# Altium PCB Pleiades_PP.PcbDoc (part 8 of 15) (continued)
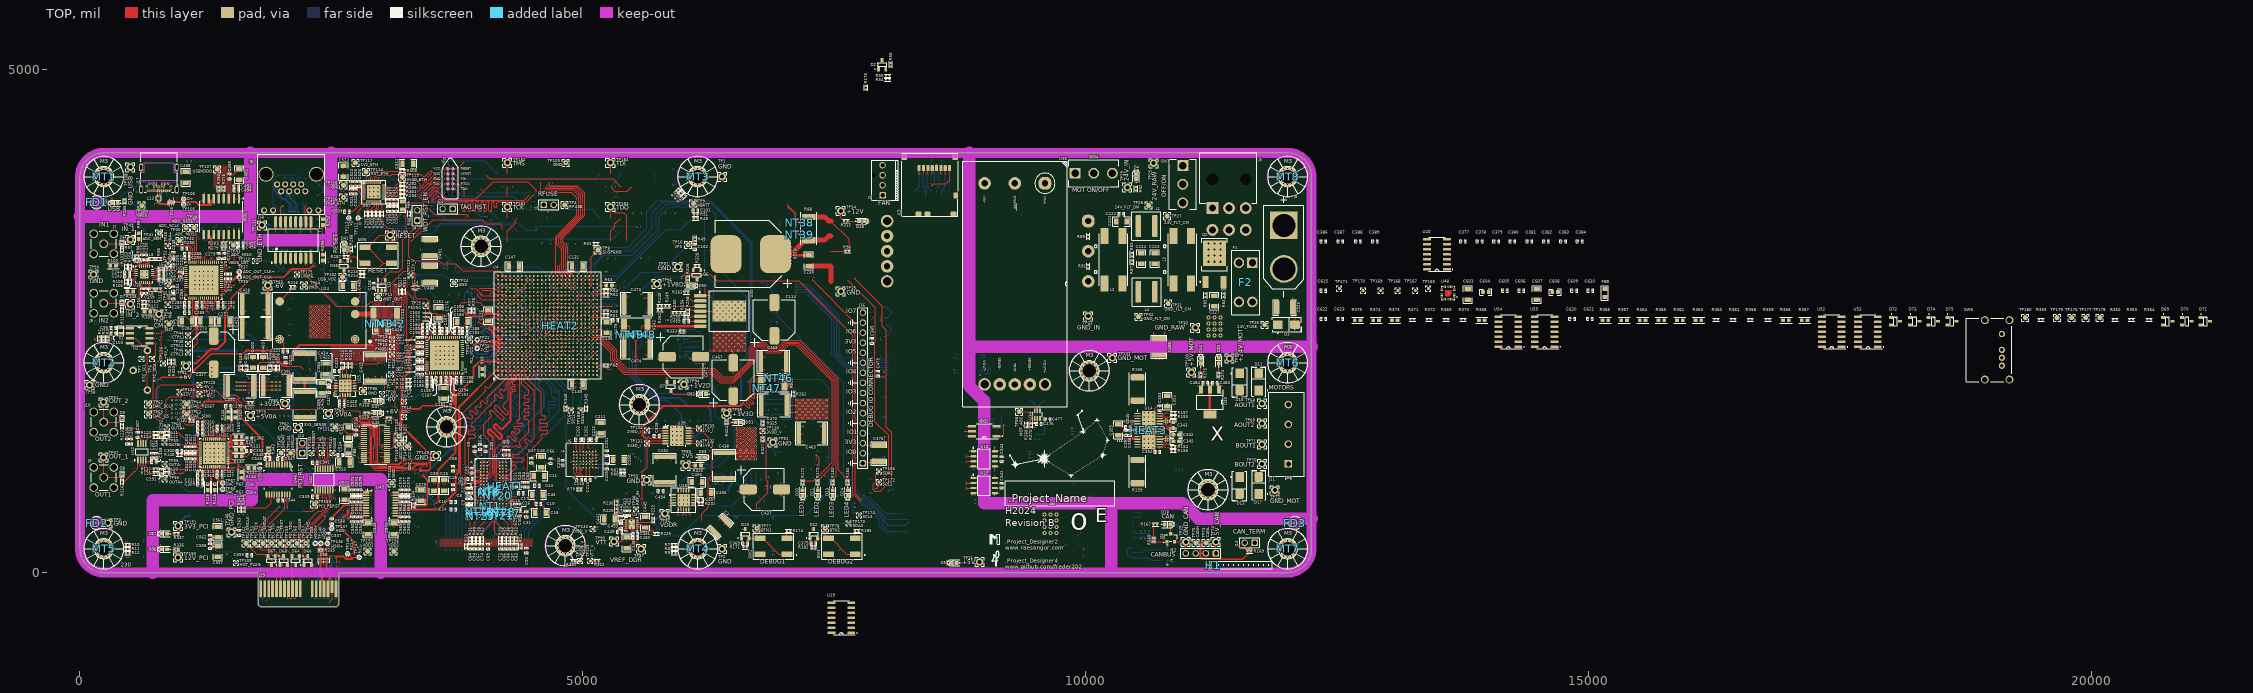
[diagram p0: TOP view]
## Nets (pads, with @x,y where several pads share a name; then routed paths per layer and width w, separated by ;. In a path a pad name is that pad's centre, name@x,y a point inside that pad or via, vN(x,y) a via of type N, cw(c..) or ccw(c..) an arc to the next point about the centre after c; other vN are vias at no path point) (continued)
D6_N: R149.1 U4.A9 U11.12 | length 4016.9
  TOP w4.33: U11.12@1443.27,1053.19 1443.27,1041.26 1438.09,1036.09 1438.09,1030.18 1440.62,1027.64 1466.86,1027.64 1479.37,1040.16 1522.66,1040.16 v1(1530,1047.49) ; v1(4065.53,2287.56) 4065.73,2287.76 4074.34,2287.76 4084.02,2297.44 4110.36,2297.44 4143.62,2264.18 4163.84,2264.18 4173.07,2273.41 4173.07,2276.99 4170.53,2279.53 U4.A9@4157.48,2279.53
  IN1 w3.09: v1(1530,1047.49) 1530,1041.85 1531.81,1040.04 1534.38,1040.04 1544.15,1049.81 1544.15,1070.7 1585.78,1112.33 1734.64,1112.33 1822.25,1112.33 1847.06,1137.14 1950.44,1137.14 1952.22,1135.36 1998.25,1135.36 ccw(c1998.25,1146.91) 2009.8,1146.91 2009.8,1187.81 cw(c2030.44,1187.81) 2030.44,1208.45 cw(c2030.44,1187.81) 2051.08,1187.81 2051.08,1150.32 ccw(c2062.63,1150.32) 2062.63,1138.77 ccw(c2062.63,1150.32) 2074.17,1150.32 2074.17,1165.05 cw(c2094.81,1165.05) 2094.81,1185.69 cw(c2094.81,1165.05) 2115.46,1165.05 2115.46,1136.85 ccw(c2127,1136.85) 2127,1125.31 ccw(c2127,1136.85) 2138.55,1136.85 2138.55,1150.51 cw(c2159.19,1150.51) 2159.19,1171.15 cw(c2159.19,1150.51) 2179.83,1150.51 ccw(c2191.38,1150.51) 2191.38,1138.96 2205.74,1138.96 2231.04,1164.26 2231.43,1164.64 2536.22,1164.64 2541.41,1159.45 2561.68,1159.45 2564.36,1162.14 2592.06,1162.14 2625.11,1195.2 2835.14,1195.2 2879.01,1151.33 2958.62,1151.33 2987.29,1180 3072.86,1180 3091.43,1161.43 3110,1161.43 3111.55,1161.43 ccw(c3111.55,1172.98) 3123.1,1172.98 3123.09,1189.88 cw(c3134.64,1189.88) 3134.64,1201.43 cw(c3134.64,1189.88) 3146.19,1189.88 3146.19,1172.98 ccw(c3157.74,1172.98) 3157.74,1161.43 3173.87,1161.43 3199.17,1161.43 3205.84,1168.11 3208.11,1168.11 3210,1170 3210,1215 3335,1340 3335,1690 3472.86,1827.86 3472.86,1840.64 3694.12,2061.9 3716.37,2061.9 3743.94,2089.47 3832.87,2089.47 3892.68,2149.28 3915.53,2149.28 4025.72,2259.47 4044.97,2259.47 4062.75,2277.25 4062.75,2284.77 v1(4065.53,2287.56)
  BOT w4.33: v1(1530,1047.49) 1544.16,1033.33 1544.16,1024.38 R149.1@1570,998.54
D6_P: R146.1 U4.C9 U11.11 | length 4019.7
  TOP w4.33: U11.11@1423.58,1053.19 1423.58,1041.26 1428.76,1036.09 1428.76,1026.31 1436.76,1018.32 1470.72,1018.32 1483.24,1030.83 1522.66,1030.83 v1(1530,1023.49) ; v1(4086.35,2275.62) 4085.35,2276.63 4085.35,2285.58 4087.88,2288.11 4106.5,2288.11 4139.76,2254.85 4167.7,2254.85 4182.39,2269.55 4182.39,2284.9 4191.04,2293.55 4222.2,2293.55 U4.C9@4236.22,2279.53
  IN1 w3.09: v1(1530,1023.49) 1530,1029.13 1531.81,1030.95 1538.14,1030.95 1553.24,1046.04 1553.24,1066.93 1589.54,1103.24 1734.64,1103.24 1826.01,1103.24 1850.82,1128.05 1946.68,1128.05 1948.45,1126.27 1998.25,1126.27 ccw(c1998.25,1146.91) 2018.89,1146.91 2018.89,1187.81 cw(c2030.44,1187.81) 2030.44,1199.36 cw(c2030.44,1187.81) 2041.98,1187.81 2041.98,1150.32 ccw(c2062.63,1150.32) 2062.63,1129.68 ccw(c2062.63,1150.32) 2083.27,1150.32 2083.27,1165.05 cw(c2094.81,1165.05) 2094.81,1176.6 cw(c2094.81,1165.05) 2106.36,1165.05 2106.36,1136.85 ccw(c2127,1136.85) 2127,1116.21 ccw(c2127,1136.85) 2147.64,1136.85 2147.65,1150.51 cw(c2159.19,1150.51) 2159.19,1162.05 cw(c2159.19,1150.51) 2170.74,1150.51 ccw(c2191.38,1150.51) 2191.38,1129.86 2209.51,1129.86 2231.04,1151.4 2235.19,1155.55 2532.46,1155.55 2537.64,1150.36 2565.44,1150.36 2568.13,1153.05 2595.82,1153.05 2628.88,1186.1 2831.38,1186.1 2875.24,1142.24 2962.39,1142.24 2991.05,1170.91 3069.09,1170.91 3085,1155 3087.66,1152.34 3202.93,1152.34 3209.61,1159.01 3211.87,1159.01 3219.09,1166.23 3219.09,1211.23 3344.09,1336.23 3344.09,1686.23 3481.95,1824.09 3481.95,1836.87 3697.89,2052.81 3720.14,2052.81 3747.71,2080.38 3836.64,2080.38 3896.45,2140.19 3919.3,2140.19 4029.49,2250.38 4048.74,2250.38 4058.36,2260 4070.73,2260 v1(4086.35,2275.62)
  BOT w4.33: R146.1@1500,998.54 1523.48,1022.02 1528.53,1022.02 v1(1530,1023.49)
D7_N: R142.1 U4.A10 U11.10 | length 4025.7
  TOP w4.33: U11.10@1403.9,1053.19 1405.18,1051.91 1405.18,1037.8 1412.47,1030.51 v1(1412.47,1028.43) ; v1(3910.95,2242.07) 3911.38,2242.49 3911.38,2251.5 3911.24,2251.64 3911.24,2262.95 3922.67,2274.37 3929.59,2274.37 3942.14,2286.92 3978.73,2286.92 4005.9,2314.09 4117.26,2314.09 4127.8,2303.55 4163.84,2303.55 4172.5,2312.21 4172.5,2315.8 4169.97,2318.33 4158.05,2318.33 U4.A10@4157.48,2318.9
  IN1 w3.09: v1(1412.47,1028.43) 1406.72,1022.68 1406.72,1020.12 1408.54,1018.31 1421.37,1018.31 1482.71,1079.64 1504.64,1079.64 1569.64,1144.64 1601.35,1144.64 1610.14,1135.85 1803.07,1135.85 1816.86,1149.64 1837.63,1149.64 1866.17,1178.19 1933.19,1178.19 1993.91,1238.91 2250.46,1238.91 2256.63,1232.74 2291.36,1232.74 2324.09,1200 2355,1200 2374.17,1200 ccw(c2374.17,1211.55) 2385.72,1211.55 2385.72,1221.19 cw(c2397.26,1221.19) 2397.26,1232.74 cw(c2397.26,1221.19) 2408.81,1221.19 2408.81,1211.55 ccw(c2420.36,1211.55) 2420.36,1200 2445,1200 2467.72,1200 2479.86,1212.14 2504.73,1212.14 2522.14,1212.14 2564.3,1254.3 2739.3,1254.3 2757.45,1272.45 2783.56,1272.45 2828.1,1272.45 2865.99,1234.57 2902.27,1234.57 cw(c2902.27,1214.93) 2921.91,1214.93 2921.91,1210.19 ccw(c2932.46,1210.19) 2932.46,1199.64 ccw(c2932.46,1210.19) 2943.01,1210.19 2943.01,1214.93 cw(c2962.65,1214.93) 2962.65,1234.57 3009.54,1234.57 3014.67,1234.57 3025.18,1224.06 3194.04,1224.06 3230.55,1260.57 3230.55,1305.63 3300.91,1375.99 3300.91,1674.09 3300.91,1715.8 cw(c3321.55,1715.8) 3336.14,1730.39 3336.86,1729.67 ccw(c3345.03,1737.84) 3353.19,1729.67 ccw(c3345.03,1737.84) 3353.19,1746 3327.73,1771.46 cw(c3342.33,1786.06) 3327.73,1800.66 cw(c3342.33,1786.06) 3356.92,1800.66 3382.39,1775.2 ccw(c3390.55,1783.36) 3398.72,1775.2 ccw(c3390.55,1783.36) 3398.72,1791.53 3393.24,1797 cw(c3407.82,1811.62) 3393.22,1826.21 3488.57,1921.57 3592.01,2025 3622.14,2025 3636.48,2039.35 3636.48,2070.67 3671.03,2105.21 3802.35,2105.21 3924.36,2227.22 3924.36,2236.12 3921.23,2239.25 3913.77,2239.25 v1(3910.95,2242.07)
  BOT w4.33: v1(1412.47,1028.43) 1412.47,1026.35 1416.4,1022.43 1416.4,1014.72 1430,1001.12 R142.1@1430,998.54
D7_P: R139.1 U4.B10 U11.9 | length 4026
  TOP w4.33: U11.9@1384.21,1053.19 1384.21,1040.16 1389.5,1034.87 v1(1389.5,1021.49) ; v1(3933.06,2251.41) 3931.59,2252.87 3923.19,2252.87 3920.57,2255.5 3920.57,2259.08 3926.53,2265.04 3933.45,2265.04 3946,2277.6 3982.6,2277.6 4009.76,2304.76 4113.4,2304.76 4123.94,2294.22 4167.7,2294.22 4181.83,2308.35 4181.83,2315.8 4184.36,2318.33 4196.29,2318.33 U4.B10@4196.85,2318.9
  IN1 w3.09: v1(1389.5,1021.49) 1395.82,1021.49 1397.63,1019.68 1397.63,1016.35 1404.77,1009.21 1413.96,1009.21 1425.14,1009.21 1438.2,1022.27 cw(c1440.71,1019.77) 1443.22,1022.27 1443.94,1021.55 ccw(c1446.45,1024.06) 1448.96,1021.55 ccw(c1446.45,1024.06) 1448.96,1026.57 1448.24,1027.29 cw(c1450.75,1029.8) 1448.24,1032.31 1466.3,1050.37 1486.48,1070.55 1508.41,1070.55 1573.41,1135.55 1597.58,1135.55 1606.37,1126.76 1806.84,1126.76 1820.63,1140.55 1841.4,1140.55 1869.94,1169.09 1936.95,1169.09 1997.67,1229.81 2246.69,1229.81 2252.86,1223.64 2287.59,1223.64 2320.33,1190.91 2471.49,1190.91 2483.63,1203.05 2525.91,1203.05 2568.06,1245.2 2743.06,1245.2 2761.22,1263.36 2824.34,1263.36 2862.22,1225.47 2865.99,1225.47 2902.27,1225.47 cw(c2902.27,1214.93) 2912.82,1214.93 2912.82,1210.19 ccw(c2932.46,1210.19) 2932.46,1190.55 ccw(c2932.46,1210.19) 2952.1,1210.19 2952.1,1214.93 cw(c2962.65,1214.93) 2962.65,1225.47 3009.54,1225.47 3010.91,1225.47 3021.41,1214.97 3197.81,1214.97 3239.64,1256.8 3239.64,1301.86 3310,1372.22 3310,1671.38 3310,1715.8 cw(c3321.55,1715.8) 3329.71,1723.96 3330.43,1723.24 ccw(c3345.03,1737.84) 3359.62,1723.24 ccw(c3345.03,1737.84) 3359.62,1752.44 3334.16,1777.9 cw(c3342.33,1786.06) 3334.16,1794.23 cw(c3342.33,1786.06) 3350.49,1794.23 3375.95,1768.77 ccw(c3390.55,1783.36) 3405.15,1768.77 ccw(c3390.55,1783.36) 3405.15,1797.96 3399.64,1803.46 cw(c3407.82,1811.62) 3399.65,1819.78 3495,1915.14 3595.77,2015.91 3625.91,2015.91 3645.58,2035.58 3645.58,2066.9 3674.79,2096.11 3806.11,2096.11 3933.45,2223.45 3933.45,2251.01 v1(3933.06,2251.41)
  BOT w4.33: R139.1@1360,998.54 1381.48,1020.02 1388.03,1020.02 v1(1389.5,1021.49)
DA0_N: U4.C14 U9.40 | length 3652.4
  TOP w4.33: U9.40@1220.16,2728.82 1220.16,2717.88 1225.34,2712.7 1225.34,2703.33 1233.33,2695.34 1234.69,2695.34 1248.05,2681.97 1248.05,2621.43 1258.13,2611.35 1258.13,2596.94 1250.81,2589.61 v1(1250.81,2589.19)
  TOP w8.89: U4.C14@4236.22,2476.38 v1(4255.91,2456.69)
  IN1 w3.09: v1(1250.81,2589.19) 1250.81,2589.01 1260.36,2579.46 1260.36,2545 1260.36,2428.42 cw(c1248.81,2428.42) 1248.81,2416.87 1247.97,2416.87 ccw(c1247.97,2405.33) 1236.43,2405.33 ccw(c1247.97,2405.33) 1247.97,2393.78 1265.19,2393.78 cw(c1265.19,2374.07) 1279.13,2388 1280.68,2386.46 1351.23,2315.91 1614.09,2315.91 1659.24,2270.76 3008.62,2270.76 3217.86,2480 3392.22,2480 3412.22,2460 3470,2460 3490.91,2480.91 3521.23,2480.91 3537.14,2465 3576.38,2465 3642.12,2530.74 3833.6,2530.74 3846.43,2543.57 4076.43,2543.57 4097.66,2522.34 4112.66,2522.34 4161.76,2473.24 4240.43,2473.24 4254.09,2473.24 4255.91,2471.43 v1(4255.91,2456.69)
DA0_P: U4.D14 U9.41 | length 3651.4
  TOP w4.33: U9.41@1239.84,2728.82 1239.84,2717.88 1234.66,2712.7 1234.66,2707.2 1237.2,2704.66 1238.56,2704.66 1257.38,2685.84 1257.38,2625.29 1267.46,2615.21 1267.46,2596.94 1274.37,2590.03 v1(1274.79,2590.03)
  TOP w8.89: v1(4255.91,2496.06) U4.D14@4275.59,2476.38
  IN1 w3.09: v1(1274.79,2590.03) 1271.94,2587.18 1271.94,2579.27 1269.45,2576.78 1269.45,2535 1269.45,2515.81 ccw(c1281,2515.81) 1281,2504.26 1282.36,2504.26 cw(c1282.36,2492.72) 1293.91,2492.72 cw(c1282.36,2492.72) 1282.36,2481.17 1281,2481.17 ccw(c1281,2469.62) 1269.45,2469.62 ccw(c1281,2469.62) 1281,2458.08 1282.36,2458.08 cw(c1282.36,2446.53) 1293.91,2446.53 cw(c1282.36,2446.53) 1282.36,2434.98 1281,2434.98 ccw(c1281,2423.43) 1269.45,2423.43 1269.45,2410.55 1275.44,2404.56 1345,2335 1348.22,2331.78 1355,2325 1617.86,2325 1663.01,2279.85 3004.85,2279.85 3214.09,2489.09 3395.99,2489.09 3415.99,2469.09 3466.23,2469.09 3487.14,2490 3525,2490 3540.91,2474.09 3572.61,2474.09 3638.35,2539.83 3829.83,2539.83 3842.66,2552.66 4080.2,2552.66 4101.43,2531.43 4116.43,2531.43 4165.53,2482.33 4244.19,2482.33 4254.09,2482.33 4255.91,2484.15 v1(4255.91,2496.06)
DA2_N: U4.A15 U9.42 | length 3652.3
  TOP w4.33: U9.42@1259.53,2728.82 1259.53,2717.88 1264.71,2712.7 1264.71,2638 v1(1274.98,2627.72)
  TOP w8.89: U4.A15@4157.48,2515.75 v1(4177.17,2496.06)
  IN1 w3.09: v1(1274.98,2627.72) 1276.48,2629.22 1294.91,2629.22 1301.09,2623.04 1301.09,2591.19 1295.36,2585.46 1295.36,2549.64 1300,2545 1300,2440 1300,2405 1350,2355 1358.76,2346.24 1619.1,2346.24 1646.73,2373.87 1652.86,2380 1665,2380 1710.77,2380 cw(c1710.77,2368.45) 1722.32,2368.45 1722.32,2360.64 ccw(c1742.96,2360.64) 1742.96,2340 ccw(c1742.96,2360.64) 1763.6,2360.64 1763.6,2373.26 cw(c1775.15,2373.26) 1775.15,2384.81 cw(c1775.15,2373.26) 1786.7,2373.26 1786.7,2364.88 ccw(c1807.34,2364.88) 1807.34,2344.24 ccw(c1807.34,2364.88) 1827.98,2364.88 1827.98,2373.26 cw(c1839.53,2373.26) 1839.53,2384.81 cw(c1839.53,2373.26) 1851.07,2373.26 1851.07,2360.64 ccw(c1871.72,2360.64) 1871.72,2340 ccw(c1871.72,2360.64) 1892.36,2360.64 1892.36,2368.45 cw(c1903.91,2368.45) 1903.91,2380 1910,2380 2073.41,2380 2083.41,2370 2145,2370 2169.64,2370 cw(c2169.64,2358.45) 2181.19,2358.45 2181.19,2347.4 ccw(c2192.74,2347.4) 2192.74,2335.86 ccw(c2192.74,2347.4) 2204.28,2347.4 2204.28,2358.45 cw(c2215.83,2358.45) 2215.83,2370 2273.34,2370 2286.69,2370 2306.64,2389.96 2328.69,2389.96 2332.88,2385.77 2369.06,2385.77 2373.25,2389.96 2391.21,2389.96 2395.4,2385.77 2430.32,2385.77 2434.51,2389.96 2450.75,2389.96 2456.03,2384.68 2481.37,2384.68 2485.84,2389.16 3079.16,2389.16 3190.91,2500.91 3545.91,2500.91 3620.55,2575.55 3920.37,2575.55 3930.92,2565 4091.48,2565 4158.96,2497.52 4175.71,2497.52 v1(4177.17,2496.06)
DA2_P: U4.C15 U9.43 | length 3652.3
  TOP w4.33: U9.43@1279.21,2728.82 1279.21,2717.88 1274.03,2712.7 1274.03,2652.24 1278.29,2647.98 1288.45,2647.98 v1(1289.91,2646.51)
  TOP w8.89: v1(4216.54,2496.06) U4.C15@4236.22,2515.75
  IN1 w3.09: v1(1289.91,2646.51) 1290.25,2646.51 1298.44,2638.31 1298.68,2638.31 1310.18,2626.81 1310.18,2587.42 1304.45,2581.69 1304.45,2556.53 1309.09,2551.88 1309.09,2476.02 1309.09,2474.47 ccw(c1320.64,2474.47) 1320.64,2462.92 1321.46,2462.92 cw(c1321.46,2451.37) 1333.01,2451.37 cw(c1321.46,2451.37) 1321.46,2439.83 1320.64,2439.83 ccw(c1320.64,2428.28) 1309.09,2428.28 1309.09,2408.77 1348.46,2369.4 1362.53,2355.34 1615.34,2355.34 1649.09,2389.09 1665,2389.09 1710.77,2389.09 cw(c1710.77,2368.45) 1731.41,2368.45 1731.41,2360.64 ccw(c1742.96,2360.64) 1742.96,2349.09 ccw(c1742.96,2360.64) 1754.51,2360.64 1754.51,2373.26 cw(c1775.15,2373.26) 1775.15,2393.91 cw(c1775.15,2373.26) 1795.79,2373.26 1795.79,2364.88 ccw(c1807.34,2364.88) 1807.34,2353.34 ccw(c1807.34,2364.88) 1818.89,2364.88 1818.89,2373.26 cw(c1839.53,2373.26) 1839.53,2393.91 cw(c1839.53,2373.26) 1860.17,2373.26 1860.17,2360.64 ccw(c1871.72,2360.64) 1871.72,2349.09 ccw(c1871.72,2360.64) 1883.26,2360.64 1883.26,2368.45 cw(c1903.91,2368.45) 1903.91,2389.09 1910,2389.09 2077.17,2389.09 2087.17,2379.09 2282.92,2379.09 2302.88,2399.05 2332.46,2399.05 2336.64,2394.86 2365.29,2394.86 2369.48,2399.05 2394.98,2399.05 2399.17,2394.86 2426.55,2394.86 2430.74,2399.05 2454.52,2399.05 2459.8,2393.78 2477.6,2393.78 2482.08,2398.25 3075.39,2398.25 3187.14,2510 3542.14,2510 3616.78,2584.64 3924.14,2584.64 3934.68,2574.09 4095.25,2574.09 4159.34,2510 4200.13,2510 4214.07,2496.06 v1(4216.54,2496.06)
DA4_N: U4.A16 U9.44 | length 3652.9
  TOP w4.33: U9.44@1298.9,2728.82 1298.9,2717.6 1305.91,2710.59 1305.91,2683.08 1304.08,2681.25 1304.08,2625.16 1315.67,2613.57 1321.49,2613.57 1326.33,2608.73 1326.33,2598.15 v1(1327.8,2596.68) ; v1(3811.29,2601.19) 3811.29,2599.65 3816.13,2594.82 3816.13,2590.65 3842.62,2564.16 3865.27,2541.51 4004.74,2541.51 4033.69,2570.47 4163.84,2570.47 4172.5,2561.8 4172.5,2558.22 4169.97,2555.68 4158.04,2555.68 U4.A16@4157.48,2555.12
  IN1 w3.09: v1(1327.8,2596.68) 1328.93,2595.55 1345.86,2595.55 1391.13,2550.28 1397.34,2544.07 1397.34,2542.3 1397.43,2542.2 ccw(c1417.98,2544.18) 1417.98,2523.54 1455.68,2523.54 cw(c1455.68,2511.99) 1467.23,2511.99 cw(c1455.68,2511.99) 1455.68,2500.45 1377.98,2500.45 ccw(c1377.98,2479.8) 1357.34,2479.8 ccw(c1377.98,2479.8) 1377.98,2459.16 1449.82,2459.16 cw(c1449.82,2447.62) 1461.37,2447.62 cw(c1449.82,2447.61) 1449.82,2436.07 1417.98,2436.07 ccw(c1417.98,2415.43) 1397.34,2415.43 1397.34,2404.8 1416.46,2385.68 1421.23,2380.91 1613.77,2380.91 1632.86,2400 2260,2400 2279.96,2419.96 2298.69,2419.96 2302.88,2415.77 2333.24,2415.77 2337.42,2419.96 2358.69,2419.96 2362.88,2415.77 2393.24,2415.77 2397.42,2419.96 2418.69,2419.96 2422.88,2415.77 2453.24,2415.77 2457.42,2419.96 2526.52,2419.96 2529.14,2417.34 2879.42,2417.34 2954.32,2492.24 2972.15,2492.24 2996.79,2492.24 cw(c2996.79,2480.69) 3008.34,2480.69 3008.34,2479.76 ccw(c3019.88,2479.76) 3019.88,2468.21 ccw(c3019.88,2479.76) 3031.43,2479.76 3031.43,2480.69 cw(c3042.98,2480.69) 3042.98,2492.24 3100,2492.24 3140.1,2492.24 3168.58,2520.72 3535.72,2520.72 3605.74,2590.74 3786.92,2590.74 3796,2599.81 3809.92,2599.81 v1(3811.29,2601.19)
DA4_P: U4.B16 U9.45 | length 3636.8
  TOP w4.33: U9.45@1318.58,2728.82 1317.68,2727.91 1317.68,2711.51 1315.23,2709.07 1315.23,2679.21 1313.4,2677.38 1313.4,2629.03 1319.53,2622.9 1325.35,2622.9 1331.42,2616.83 1341.52,2616.83 v1(1341.76,2617.07) ; v1(3808.32,2625.01) 3825.45,2607.88 3825.45,2594.52 3846.48,2573.49 3849.21,2570.76 3869.13,2550.84 4000.88,2550.84 4029.83,2579.79 4167.7,2579.79 4181.83,2565.66 4181.83,2558.22 4184.36,2555.68 4196.29,2555.68 U4.B16@4196.85,2555.12
  IN1 w3.09: v1(1341.76,2617.07) 1352.29,2606.54 1352.29,2601.98 1403.99,2550.28 1406.43,2547.84 1406.43,2544.18 ccw(c1417.98,2544.18) 1417.98,2532.63 1455.68,2532.63 cw(c1455.68,2511.99) 1476.33,2511.99 cw(c1455.68,2511.99) 1455.68,2491.35 1377.98,2491.35 ccw(c1377.98,2479.8) 1366.43,2479.8 ccw(c1377.98,2479.8) 1377.98,2468.26 1449.82,2468.26 cw(c1449.82,2447.62) 1470.46,2447.62 cw(c1449.82,2447.61) 1449.82,2426.97 1417.98,2426.97 ccw(c1417.98,2415.43) 1406.43,2415.43 1406.43,2408.57 1425,2390 1494.58,2390 1495.19,2390 1610,2390 1629.09,2409.09 2256.23,2409.09 2276.19,2429.05 2302.46,2429.05 2306.64,2424.86 2329.47,2424.86 2333.66,2429.05 2362.46,2429.05 2366.64,2424.86 2389.47,2424.86 2393.66,2429.05 2422.46,2429.05 2426.64,2424.86 2449.47,2424.86 2453.66,2429.05 2530.29,2429.05 2532.91,2426.43 2875.65,2426.43 2950.55,2501.33 3136.33,2501.33 3164.81,2529.81 3531.95,2529.81 3601.97,2599.83 3783.15,2599.83 3792.23,2608.91 3792.78,2608.91 3808.32,2624.45 v1(3808.32,2625.01)
DA6_N: U4.G14 U9.46 | length 3552
  TOP w4.33: v1(1327.57,2671.52) 1329.03,2672.98 1329.03,2682.25 1343.45,2696.67 1343.45,2712.7 1338.27,2717.88 U9.46@1338.27,2728.82
  TOP w8.89: U4.G14@4393.7,2476.38 v1(4413.39,2456.69)
  IN1 w3.09: v1(1327.57,2671.52) 1336.28,2662.81 1344.46,2662.81 1345.17,2663.51 1355.19,2663.51 1357.38,2663.51 ccw(c1357.38,2676.4) 1366.47,2667.27 1369.04,2669.84 cw(c1374.38,2664.51) 1379.71,2669.84 cw(c1374.38,2664.51) 1379.72,2659.17 1379.5,2658.95 ccw(c1384.84,2653.62) 1379.5,2648.28 1395.2,2632.57 1396.3,2631.48 1577.78,2450 2293.82,2450 2302.88,2459.05 2340.95,2459.05 2345.14,2454.86 2362.47,2454.86 2366.66,2459.05 2401.58,2459.05 2405.77,2454.86 2423.73,2454.86 2427.92,2459.05 2464.1,2459.05 2468.29,2454.86 2535.14,2454.86 2541.81,2448.19 2858.19,2448.19 2959.09,2549.09 3479.19,2549.09 3546.13,2616.04 3615.07,2616.04 3649.68,2650.65 3854.44,2650.65 3900.47,2604.62 3956.76,2604.62 3957.66,2605.52 3957.66,2616.96 v1(3957.84,2617.14)
  BOT w4.33: v1(3957.84,2617.14) 3958.52,2616.46 3958.52,2607.45 3953.45,2602.39 3953.45,2591.08 4008.86,2535.67 4183.08,2535.67 4206.81,2511.94 4338.79,2511.94 4350.23,2500.5 4350.23,2486.63 4364.31,2472.55 4418.67,2472.55 4428.41,2462.81 4428.41,2459.23 4425.87,2456.69 v1(4413.39,2456.69)
DA6_P: U4.J14 U9.47 | length 3562.1
  TOP w4.33: v1(1327.57,2645) 1341.73,2659.16 1341.73,2677.38 1341.33,2677.78 1341.33,2681.36 1352.77,2692.8 1352.77,2712.7 1357.95,2717.88 U9.47@1357.95,2728.82
  TOP w8.89: v1(4452.76,2456.69) U4.J14@4472.44,2476.38
  IN1 w3.09: v1(1327.57,2645) 1336.28,2653.71 1348.22,2653.71 1348.93,2654.42 1360.5,2654.42 1420.55,2594.36 1550.33,2464.59 1574.01,2440.91 1630.16,2440.91 2297.59,2440.91 2306.64,2449.96 2337.18,2449.96 2341.37,2445.77 2366.24,2445.77 2370.43,2449.96 2397.82,2449.96 2402,2445.77 2427.5,2445.77 2431.69,2449.96 2460.34,2449.96 2464.53,2445.77 2531.37,2445.77 2533.57,2443.57 2538.05,2439.09 2861.95,2439.09 2962.86,2540 3482.95,2540 3549.9,2606.94 3618.84,2606.94 3653.44,2641.55 3850.67,2641.55 3896.7,2595.52 3960.52,2595.52 3964.09,2599.09 3973.72,2599.09 v1(3975.27,2600.64)
  BOT w4.33: v1(3975.27,2600.64) 3974.59,2601.32 3965.58,2601.32 3962.78,2598.52 3962.78,2594.94 4012.72,2545 4186.94,2545 4210.67,2521.27 4342.66,2521.27 4359.56,2504.37 4359.56,2490.49 4368.17,2481.88 4422.53,2481.88 4437.73,2466.67 4437.73,2459.23 4440.27,2456.69 v1(4452.76,2456.69)
DA8_N: U4.H15 U9.50 | length 3629
  TOP w6: U9.50@1406.18,2777.05 1430.93,2777.05 1439.16,2768.82 1439.56,2768.82 1443.38,2765 v1(1445,2765)
  TOP w8.89: U4.H15@4433.07,2515.75 v1(4452.76,2535.43)
  IN1 w3.09: v1(1445,2765) 1443.89,2763.89 1443.89,2753.17 1435.87,2745.16 1435.87,2714.13 1474.31,2675.69 1477.29,2672.71 1566.81,2583.19 cw(c1558.65,2575.02) 1566.81,2566.86 1561.29,2561.33 ccw(c1575.89,2546.74) 1561.29,2532.14 ccw(c1575.89,2546.74) 1590.48,2532.14 1611.41,2553.07 cw(c1619.58,2544.91) 1627.77,2536.77 1606.81,2515.81 ccw(c1621.41,2501.22) 1606.81,2486.62 ccw(c1621.41,2501.22) 1636,2486.62 1641.53,2492.14 cw(c1649.69,2483.98) 1657.86,2492.14 1659.19,2490.81 1662.17,2487.83 1669.09,2480.91 2297.74,2480.91 2302.88,2475.77 2333.24,2475.77 2337.42,2479.96 2364.12,2479.96 2368.31,2475.77 2395.95,2475.77 2400.14,2479.96 2419.66,2479.96 2423.85,2475.77 2453.72,2475.77 2468.86,2490.91 2858.77,2490.91 2927.86,2560 3465,2560 3573.57,2668.57 3931.43,2668.57 3995,2605 4004.09,2595.91 4089.09,2595.91 4154.09,2530.91 4187.84,2530.91 4212.14,2506.61 4251.54,2506.61 4417.75,2506.61 4444.85,2479.52 4459.61,2479.52 4469.3,2489.21 4469.3,2502.92 4452.76,2519.46 v1(4452.76,2535.43)
DA8_P: U4.J15 U9.51 | length 3652.1
  TOP w6: U9.51@1406.18,2796.73 1439.08,2796.73 1447.31,2788.5 1452.58,2788.5 v1(1453.73,2787.36)
  TOP w8.89: v1(4452.76,2496.06) U4.J15@4472.44,2515.75
  IN1 w3.09: v1(1453.73,2787.36) 1456.58,2784.5 1456.58,2776.82 1461.55,2771.85 1461.55,2757.97 1444.97,2741.39 1444.97,2717.9 1480.75,2682.12 1483.72,2679.14 1573.24,2589.62 cw(c1558.65,2575.02) 1573.24,2560.43 1567.72,2554.9 ccw(c1575.89,2546.74) 1567.72,2538.57 ccw(c1575.89,2546.74) 1584.02,2538.54 1604.98,2559.5 cw(c1619.58,2544.91) 1632.71,2560.83 1632.84,2560.83 1635.5,2558.17 1635.5,2558.04 cw(c1619.58,2544.91) 1634.17,2530.31 1613.24,2509.38 ccw(c1621.41,2501.22) 1613.24,2493.05 ccw(c1621.41,2501.22) 1629.54,2493.02 1635.1,2498.57 cw(c1649.69,2483.98) 1664.29,2498.57 1665.62,2497.24 1668.6,2494.26 1672.86,2490 2020,2490 2060,2490 2061.55,2490 ccw(c2061.55,2501.55) 2073.1,2501.55 2073.09,2510.61 cw(c2084.64,2510.61) 2084.64,2522.16 cw(c2084.64,2510.61) 2096.19,2510.61 2096.19,2501.55 ccw(c2107.74,2501.55) 2107.74,2490 ccw(c2107.74,2501.55) 2119.28,2501.55 cw(c2130.83,2501.55) 2130.83,2513.1 cw(c2130.83,2501.55) 2142.38,2501.55 ccw(c2153.93,2501.55) 2153.93,2490 2175,2490 2301.51,2490 2306.64,2484.86 2329.47,2484.86 2333.66,2489.05 2367.89,2489.05 2372.08,2484.86 2392.19,2484.86 2396.38,2489.05 2423.42,2489.05 2427.61,2484.86 2449.95,2484.86 2465.09,2500 2855,2500 2924.09,2569.09 3461.23,2569.09 3569.8,2677.66 3935.2,2677.66 4007.86,2605 4092.86,2605 4157.86,2540 4191.61,2540 4215.91,2515.7 4247.77,2515.7 4421.52,2515.7 4447.35,2489.87 4450.94,2489.87 4452.76,2491.69 v1(4452.76,2496.06)
DA10_N: U4.C16 U9.52 | length 3647.3
  TOP w6: U9.52@1406.18,2816.42 1432.29,2816.42 1446.35,2802.36 1467.63,2802.36 1480.36,2815.08 1489.57,2815.08 v1(1489.65,2815)
  TOP w8.89: U4.C16@4236.22,2555.12 v1(4255.91,2535.43)
  IN1 w3.09: v1(1489.65,2815) 1487.85,2815 1480.39,2807.54 1480.39,2734.77 1666.1,2549.05 1669.74,2549.05 1708.02,2549.05 cw(c1708.02,2528.41) 1728.66,2528.41 1728.66,2520.6 ccw(c1740.21,2520.6) 1740.21,2509.05 ccw(c1740.21,2520.6) 1751.76,2520.6 1751.76,2539.17 cw(c1772.4,2539.17) 1772.4,2559.81 cw(c1772.4,2539.17) 1793.04,2539.17 1793.04,2520.6 ccw(c1804.59,2520.6) 1804.59,2509.05 ccw(c1804.59,2520.6) 1816.14,2520.6 1816.14,2539.17 cw(c1836.78,2539.17) 1836.78,2559.81 cw(c1836.78,2539.17) 1857.42,2539.17 1857.42,2520.6 ccw(c1868.97,2520.6) 1868.97,2509.05 ccw(c1868.97,2520.6) 1880.51,2520.6 1880.51,2539.17 cw(c1901.15,2539.17) 1901.15,2559.81 cw(c1901.15,2539.17) 1921.8,2539.17 1921.8,2520.6 ccw(c1933.34,2520.6) 1933.34,2509.05 ccw(c1933.34,2520.6) 1944.89,2520.6 1944.89,2539.17 cw(c1965.53,2539.17) 1965.53,2559.81 cw(c1965.53,2539.17) 1986.17,2539.17 1986.17,2520.6 ccw(c1997.72,2520.6) 1997.72,2509.05 ccw(c1997.72,2520.6) 2009.27,2520.6 2009.27,2528.41 cw(c2029.91,2528.41) 2029.91,2549.05 2185,2549.05 2310.95,2549.05 2315.14,2544.86 2332.47,2544.86 2336.66,2549.05 2371.58,2549.05 2375.77,2544.86 2393.73,2544.86 2397.92,2549.05 2434.1,2549.05 2438.29,2544.86 2460.34,2544.86 2464.53,2549.05 2509.78,2549.05 2515.62,2543.22 2520.55,2538.29 ccw(c2528.72,2546.45) 2540.26,2546.45 2540.26,2548.13 cw(c2551.81,2548.13) 2551.81,2559.67 cw(c2551.81,2548.13) 2563.36,2548.13 2563.36,2540.64 ccw(c2574.91,2540.64) 2574.91,2529.09 ccw(c2574.91,2540.64) 2586.45,2540.64 2586.45,2548.13 cw(c2598,2548.13) 2598,2559.67 cw(c2598,2548.13) 2609.55,2548.13 2609.55,2540.64 ccw(c2621.09,2540.64) 2621.09,2529.09 2728.13,2529.09 2831.23,2529.09 2891.23,2589.09 3441.23,2589.09 3554.8,2702.66 4016.68,2702.66 4164.15,2555.19 4197.9,2555.19 4222.2,2530.89 4254.26,2530.89 4256.07,2532.71 4256.07,2535.27 v1(4255.91,2535.43)